# Altium PCB LimeSDR-QPCIe_1v2.PcbDoc (part 13 of 21)
Units mm, origin at the board's own origin, x right, y up, seen from the top; angles counter-clockwise.
Board outline 190 x 111.15 mm, 14 copper layers (Top, L2, L3, L4, L5, L6, L7, L8, L9, L10, L11, L12, L13, Bottom), stack 1.907 mm thick; 2014 components, 1408 nets, 9111 pads, 4171 vias.
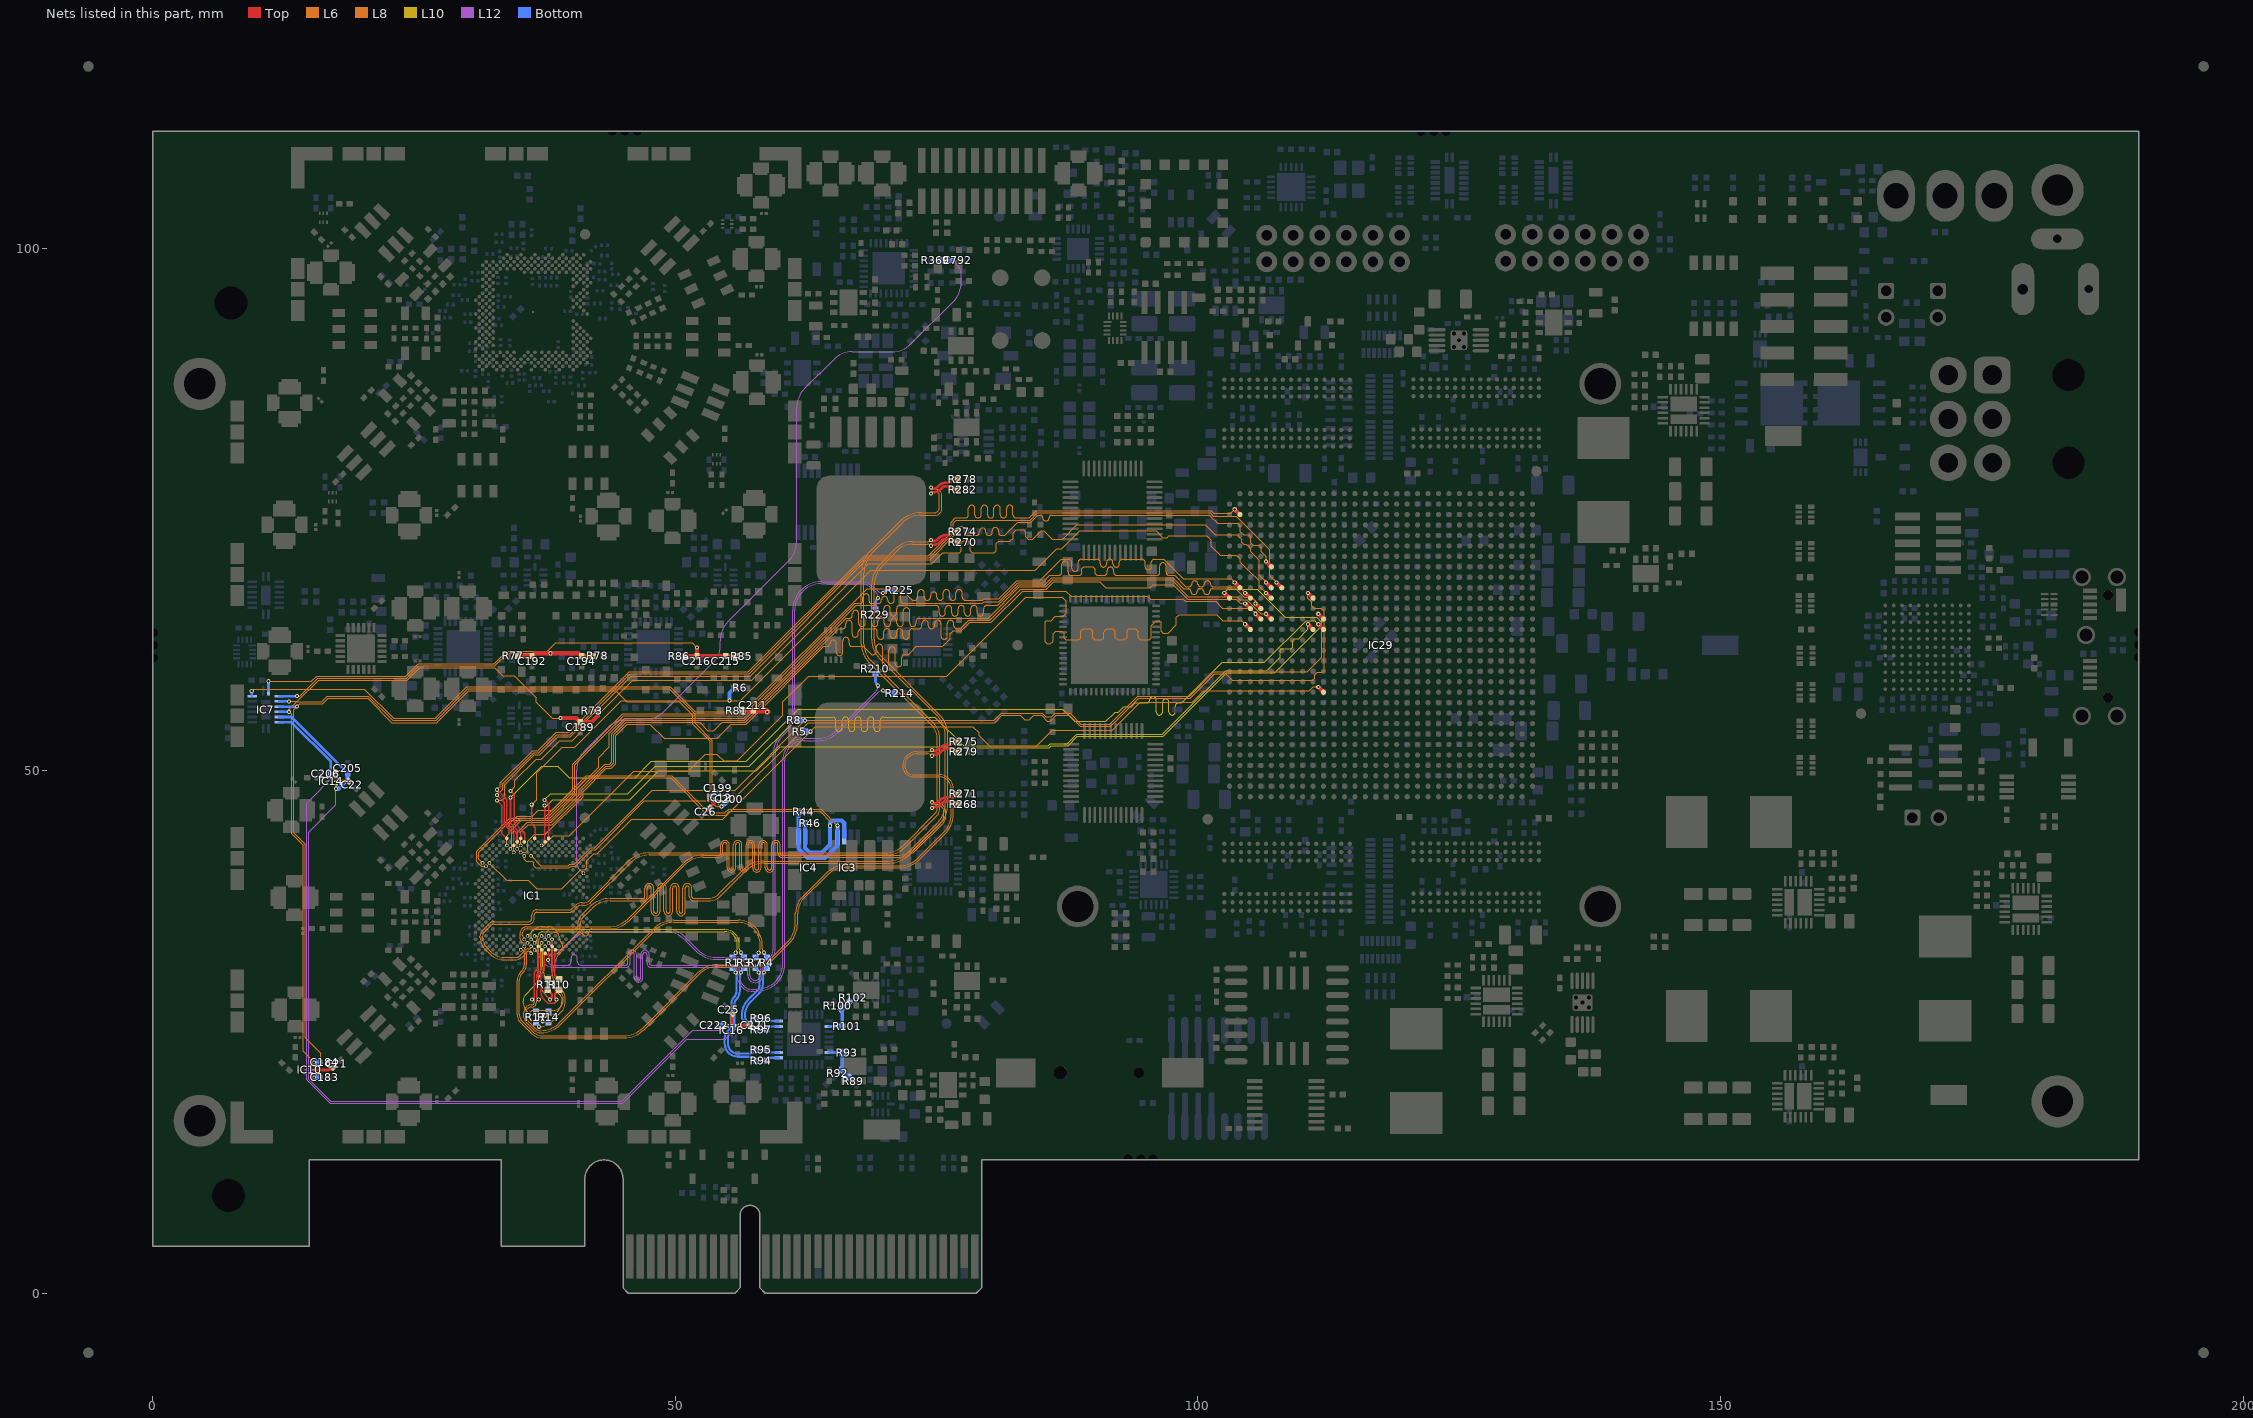
[diagram p25: the nets of this part, all layers, seen from the top]

## Via types
v1: diameter 0.4, hole 0.2, Top to Bottom, tented both sides, 3282 vias
v2: diameter 0.4, hole 0.2, Top to Bottom, tented top, 531 vias
v3: diameter 0.35, hole 0.2, Top to Bottom, tented top, 210 vias
v4: diameter 0.5, hole 0.2, Top to Bottom, tented both sides, 99 vias
v5: diameter 0.5, hole 0.2, Top to Bottom, tented bottom, 49 vias

## Nets (pads, with @x,y where several pads share a name; then routed paths per layer and width w, separated by ;. In a path a pad name is that pad's centre, name@x,y a point inside that pad or via, vN(x,y) a via of type N, cw(c..) or ccw(c..) an arc to the next point about the centre after c; other vN are vias at no path point) (continued)
LMS1_DIQ2_D3: IC1.K32 IC29.AA29 | length 97
  Top w0.4: v2(103.525,68) IC29.AA29@104.025,67.5
  L8 w0.1: v3(33.882,42.843) 33.882,43.741 34.137,43.996 34.137,44.908 34.87,45.641 36.316,45.641 36.875,46.2 38.225,46.2 40.175,48.15 40.175,50.616 44.984,55.425 56.364,55.425 68.347,67.409 71.566,67.409 72.675,66.3 72.9,66.3 ccw(c72.9,66.604) 73.204,66.604 73.204,67.012 cw(c73.508,67.012) 73.508,67.316 cw(c73.508,67.012) 73.812,67.012 73.812,66.604 ccw(c74.116,66.604) 74.116,66.3 ccw(c74.116,66.604) 74.42,66.604 74.42,66.776 cw(c74.724,66.776) 74.724,67.08 cw(c74.724,66.776) 75.028,66.776 75.028,66.604 ccw(c75.332,66.604) 75.332,66.3 ccw(c75.332,66.604) 75.636,66.604 75.636,67.012 cw(c75.94,67.012) 75.94,67.316 cw(c75.94,67.012) 76.244,67.012 76.244,66.604 ccw(c76.548,66.604) 76.548,66.3 ccw(c76.548,66.604) 76.852,66.604 76.852,67.012 cw(c77.156,67.012) 77.156,67.316 cw(c77.156,67.012) 77.46,67.012 77.46,66.604 ccw(c77.764,66.604) 77.764,66.3 78.068,66.3 78.4,66.3 79.4,66.3 79.525,66.425 80.926,66.425 82.676,68.175 84.855,68.175 86.905,70.225 87.025,70.225 ; 87.116,70.225 87.025,70.225 ; v2(103.525,68) 103.175,68.35 98.6,68.35 96.725,70.225 96.3,70.225 95.85,70.225 ccw(c95.85,69.925) 95.55,69.925 95.55,69.512 cw(c95.25,69.512) 95.25,69.212 cw(c95.25,69.512) 94.95,69.512 94.95,69.925 ccw(c94.65,69.925) 94.65,70.225 93.225,70.225 93.094,70.225 92.79,70.225 ccw(c92.79,69.921) 92.486,69.921 92.486,69.773 cw(c92.182,69.773) 92.182,69.469 cw(c92.182,69.773) 91.878,69.773 91.878,69.921 ccw(c91.574,69.921) 91.574,70.225 ccw(c91.574,69.921) 91.27,69.921 91.27,69.774 cw(c90.966,69.774) 90.966,69.47 cw(c90.966,69.774) 90.662,69.774 90.662,69.921 ccw(c90.358,69.921) 90.358,70.225 90.054,70.225 89.75,70.225 89.125,70.225 88.849,70.225 ccw(c88.849,69.921) 88.545,69.921 88.545,69.364 cw(c88.241,69.364) 88.241,69.06 cw(c88.241,69.364) 87.937,69.364 87.937,69.921 ccw(c87.633,69.921) 87.633,70.225 87.329,70.225 87.025,70.225
LMS1_DIQ2_D4: IC1.L31 IC29.Y28 | length 97
  Top w0.4: v2(104.525,67) IC29.Y28@105.025,66.5
  L8 w0.1: v3(34.215,42.51) 34.348,42.643 34.348,44.606 35.183,45.441 37.982,45.441 40.392,47.851 40.392,50.55 45.066,55.225 56.447,55.225 67.222,66 67.65,66 ccw(c67.65,66.304) 67.954,66.304 67.954,66.606 cw(c68.258,66.606) 68.258,66.91 cw(c68.258,66.606) 68.562,66.606 68.562,66.188 ccw(c68.75,66.188) 68.75,66 69.425,66 ccw(c69.425,66.304) 69.729,66.304 69.729,66.361 cw(c70.033,66.361) 70.033,66.665 cw(c70.033,66.361) 70.337,66.361 70.337,66.304 ccw(c70.641,66.304) 70.641,66 ccw(c70.641,66.304) 70.945,66.304 70.945,66.905 cw(c71.249,66.905) 71.249,67.209 cw(c71.249,66.905) 71.553,66.905 71.553,66.304 ccw(c71.857,66.304) 71.857,66 72.161,66 72.225,66 79.383,66 79.541,66.158 80.942,66.158 82.759,67.975 85.15,67.975 85.85,68.675 86.675,68.675 ccw(c86.675,68.979) 86.979,68.979 86.979,69.721 cw(c87.283,69.721) 87.283,70.025 cw(c87.283,69.721) 87.587,69.721 87.587,68.979 ccw(c87.891,68.979) 87.891,68.675 88.1,68.675 88.725,68.675 88.9,68.85 88.9,69.325 89.1,69.525 89.925,69.525 90.175,69.275 90.175,68.825 90.325,68.675 91.025,68.675 ccw(c91.025,68.979) 91.329,68.979 91.329,69.18 cw(c91.633,69.18) 91.633,69.484 cw(c91.633,69.18) 91.937,69.18 91.937,68.979 ccw(c92.241,68.979) 92.241,68.675 92.545,68.675 92.825,68.675 96.05,68.675 ccw(c96.05,68.979) 96.354,68.979 96.354,69.579 cw(c96.658,69.579) 96.658,69.883 cw(c96.658,69.579) 96.962,69.579 96.962,68.979 ccw(c97.266,68.979) 97.266,68.675 97.57,68.675 97.775,68.675 98.8,67.65 98.85,67.6 99.1,67.6 99.158,67.6 ccw(c99.158,67.846) 99.404,67.846 cw(c99.708,67.846) 99.708,68.15 cw(c99.708,67.846) 100.012,67.846 ccw(c100.258,67.846) 100.258,67.6 100.374,67.6 ccw(c100.374,67.846) 100.62,67.846 cw(c100.924,67.846) 100.924,68.15 cw(c100.924,67.846) 101.228,67.846 ccw(c101.474,67.846) 101.474,67.6 101.836,67.6 102.15,67.6 103.925,67.6 v2(104.525,67)
LMS1_DIQ2_D5: IC1.K34 IC29.AC26 | length 97
  Top w0.15: v1(32.937,47.141) 33.38,46.697 33.38,44.011 IC1.K34@33.882,43.509
  Top w0.4: v2(106.525,70) IC29.AC26@107.025,69.5
  L8 w0.1: v1(32.937,47.141) 33.416,47.141 33.675,47.4 33.675,48.656 36.519,51.5 37.011,51.5 38.761,53.25 39.966,53.25 45.766,59.05 57.16,59.05 68.285,70.175 74.375,70.175 76.7,72.5 76.8,72.5 ccw(c76.8,72.755) 77.055,72.755 77.055,73.031 cw(c77.359,73.031) 77.359,73.335 cw(c77.359,73.031) 77.663,73.031 77.663,72.804 ccw(c77.967,72.804) 77.967,72.5 78.271,72.5 78.575,72.5 78.8,72.5 ccw(c78.8,72.804) 79.104,72.804 79.104,72.898 cw(c79.408,72.898) 79.408,73.202 cw(c79.408,72.898) 79.712,72.898 79.712,72.804 ccw(c80.016,72.804) 80.016,72.5 ccw(c80.016,72.804) 80.32,72.804 80.32,72.949 cw(c80.624,72.949) 80.624,73.253 cw(c80.624,72.949) 80.928,72.949 80.928,72.804 ccw(c81.232,72.804) 81.232,72.5 81.505,72.5 82.78,73.775 84.025,73.775 84.7,74.45 84.904,74.45 cw(c84.904,74.191) 85.163,74.191 ccw(c85.467,74.191) 85.467,73.887 ccw(c85.467,74.191) 85.771,74.191 cw(c86.03,74.191) 86.03,74.45 86.075,74.45 101.083,74.45 101.883,73.65 103.8,73.65 104.075,73.375 104.075,72.875 104.4,72.55 104.85,72.55 105.075,72.325 105.075,71.794 105.318,71.55 105.85,71.55 106.075,71.325 106.075,70.925 106.525,70.475 v2(106.525,70)
LMS1_DIQ2_D6: IC1.M30 IC29.W27 | length 97
  Top w0.4: v2(105.525,66) IC29.W27@106.025,65.5
  L8 w0.1: v3(34.548,42.177) 34.548,44.523 35.266,45.241 38.064,45.241 40.592,47.768 40.592,48.242 42.675,50.325 42.675,51.25 43.7,52.275 43.7,53.576 45.149,55.025 56.53,55.025 67.305,65.8 67.425,65.8 69.043,65.8 cw(c69.043,65.496) 69.347,65.496 69.347,65.088 ccw(c69.651,65.088) 69.651,64.784 ccw(c69.651,65.088) 69.955,65.088 69.955,65.496 cw(c70.259,65.496) 70.259,65.8 cw(c70.259,65.496) 70.563,65.496 70.563,65.088 ccw(c70.867,65.088) 70.867,64.784 ccw(c70.867,65.088) 71.171,65.088 71.171,65.496 cw(c71.475,65.496) 71.475,65.8 74.325,65.8 74.629,65.8 74.933,65.8 cw(c74.933,65.496) 75.237,65.496 75.237,65.088 ccw(c75.541,65.088) 75.541,64.784 ccw(c75.541,65.088) 75.845,65.088 75.845,65.496 cw(c76.149,65.496) 76.149,65.8 cw(c76.149,65.496) 76.453,65.496 76.453,65.088 ccw(c76.757,65.088) 76.757,64.784 ccw(c76.757,65.088) 77.061,65.088 77.061,65.496 cw(c77.365,65.496) 77.365,65.8 cw(c77.365,65.496) 77.669,65.496 77.669,65.088 ccw(c77.973,65.088) 77.973,64.784 ccw(c77.973,65.088) 78.277,65.088 78.277,65.496 cw(c78.581,65.496) 78.581,65.8 cw(c78.581,65.496) 78.885,65.496 78.885,65.088 ccw(c79.189,65.088) 79.189,64.784 ccw(c79.189,65.088) 79.493,65.088 79.493,65.496 cw(c79.797,65.496) 79.797,65.8 80.475,65.8 80.867,65.8 82.842,67.775 85.35,67.775 86.025,68.45 97.6,68.45 98.65,67.4 99.025,67.4 99.083,67.4 cw(c99.083,67.154) 99.329,67.154 ccw(c99.633,67.154) 99.633,66.85 ccw(c99.633,67.154) 99.937,67.154 cw(c100.183,67.154) 100.183,67.4 100.299,67.4 cw(c100.299,67.154) 100.545,67.154 ccw(c100.849,67.154) 100.849,66.85 ccw(c100.849,67.154) 101.153,67.154 cw(c101.399,67.154) 101.399,67.4 101.761,67.4 102.1,67.4 103.62,67.4 104.445,66.575 105.172,66.575 105.297,66.45 105.3,66.45 105.525,66.225 v2(105.525,66)
LMS1_DIQ2_D7: IC1.M32 IC29.AA25 | length 97.1
  Top w0.11: IC1.M32@34.548,42.843 34.548,43.347
  Top w0.15: v1(32.937,47.666) 33.087,47.516 33.092,47.516 33.63,46.978 33.63,44.865 34.548,43.947 34.548,43.347
  Top w0.4: v2(107.525,68) IC29.AA25@108.025,67.5
  L8 w0.1: v1(32.937,47.666) 33.475,48.204 33.475,48.739 36.436,51.7 36.929,51.7 38.679,53.45 39.883,53.45 45.683,59.25 57.062,59.25 68.187,70.375 74.292,70.375 76.605,72.688 76.605,73.69 76.89,73.975 83.942,73.975 84.617,74.65 101.175,74.65 101.475,74.35 103.67,74.35 103.875,74.145 104.875,73.145 106.875,71.145 106.875,68.65 v2(107.525,68)
LMS1_DIQ2_D8: IC1.N31 IC29.V26 | length 96.9
  Top w0.4: v2(106.525,65) IC29.V26@107.025,64.5
  L8 w0.1: v3(34.881,42.51) 34.881,44.081 35.841,45.041 38.147,45.041 40.792,47.685 40.792,48.159 43.252,50.619 43.707,50.619 43.912,50.825 43.912,53.505 45.232,54.825 56.612,54.825 66.362,64.575 66.65,64.575 ccw(c66.65,64.879) 66.954,64.879 66.954,65.026 cw(c67.258,65.026) 67.258,65.33 cw(c67.258,65.026) 67.562,65.026 67.562,64.575 67.562,64.094 ccw(c67.866,64.094) 67.866,63.79 ccw(c67.866,64.094) 68.17,64.094 68.17,64.575 68.17,64.904 cw(c68.474,64.904) 68.474,65.208 cw(c68.474,64.904) 68.778,64.904 68.778,64.575 68.778,64.094 ccw(c69.082,64.094) 69.082,63.79 ccw(c69.082,64.094) 69.386,64.094 69.386,64.271 cw(c69.69,64.271) 69.69,64.575 cw(c69.69,64.271) 69.994,64.271 69.994,64.094 ccw(c70.298,64.094) 70.298,63.79 ccw(c70.298,64.094) 70.602,64.094 70.602,64.271 cw(c70.906,64.271) 70.906,64.575 cw(c70.906,64.271) 71.21,64.271 71.21,64.094 ccw(c71.514,64.094) 71.514,63.79 ccw(c71.514,64.094) 71.818,64.094 71.818,64.575 71.818,65.281 cw(c72.122,65.281) 72.122,65.585 cw(c72.122,65.281) 72.426,65.281 72.426,64.575 72.426,64.094 ccw(c72.73,64.094) 72.73,63.79 ccw(c72.73,64.094) 73.034,64.094 73.034,64.271 cw(c73.338,64.271) 73.338,64.575 73.775,64.575 79.925,64.575 82.925,67.575 85.433,67.575 86.108,68.25 97.5,68.25 99.1,66.65 103.725,66.65 104.025,66.35 104.67,66.35 106.02,65 v2(106.525,65)
LMS1_DIQ2_D9: IC1.N33 IC29.AH29 | length 96.8
  Top w0.15: v1@32.987,48.146 33.88,47.253 33.88,44.969 34.839,44.01 34.839,43.176 IC1.N33@34.881,43.176
  Top w0.4: v2(103.525,75) IC29.AH29@104.025,74.5
  L8 w0.1: v1(32.937,48.171) 33.275,48.51 33.275,48.821 36.354,51.9 36.846,51.9 38.596,53.65 39.8,53.65 45.6,59.45 56.979,59.45 68.104,70.575 74.209,70.575 76.405,72.771 76.405,73.773 76.807,74.175 77.75,74.175 ccw(c77.75,74.479) 78.054,74.479 78.054,75.086 cw(c78.358,75.086) 78.358,75.39 cw(c78.358,75.086) 78.662,75.086 78.662,74.479 ccw(c78.966,74.479) 78.966,74.175 ccw(c78.966,74.479) 79.27,74.479 79.27,75.086 cw(c79.574,75.086) 79.574,75.39 cw(c79.574,75.086) 79.878,75.086 79.878,74.479 ccw(c80.182,74.479) 80.182,74.175 ccw(c80.182,74.479) 80.486,74.479 80.486,75.086 cw(c80.79,75.086) 80.79,75.39 cw(c80.79,75.086) 81.094,75.086 81.094,74.479 ccw(c81.398,74.479) 81.398,74.175 ccw(c81.398,74.479) 81.702,74.479 81.702,75.086 cw(c82.006,75.086) 82.006,75.39 cw(c82.006,75.086) 82.31,75.086 82.31,74.479 ccw(c82.614,74.479) 82.614,74.175 82.85,74.175 83.855,74.175 84.53,74.85 101.258,74.85 101.508,74.6 103.125,74.6 v2(103.525,75)
LMS1_DIQ2_D10: IC1.P30 IC29.V27 | length 97.2
  Top w0.4: v2(105.525,65) IC29.V27@106.025,64.5
  L8 w0.1: v3(35.214,42.177) 35.222,42.185 35.682,42.185 35.872,42.375 35.872,43.238 36.535,43.901 37.573,43.901 41.192,47.52 41.192,47.993 43.418,50.22 43.872,50.22 44.312,50.659 44.312,53.339 45.398,54.425 47.575,54.425 48.925,53.075 54.025,53.075 55.375,54.425 56.778,54.425 64.228,61.875 64.5,61.875 ccw(c64.5,62.179) 64.804,62.179 64.804,62.182 cw(c65.108,62.182) 65.108,62.486 cw(c65.108,62.182) 65.412,62.182 65.412,61.875 65.412,61.306 ccw(c65.716,61.306) 65.716,61.002 ccw(c65.716,61.306) 66.02,61.306 66.02,61.875 66.02,62.444 cw(c66.324,62.444) 66.324,62.748 cw(c66.324,62.444) 66.628,62.444 66.628,62.179 ccw(c66.932,62.179) 66.932,61.875 67.363,61.875 68,61.875 68.775,61.1 68.925,61.1 ccw(c68.925,61.404) 69.229,61.404 69.229,61.786 cw(c69.533,61.786) 69.533,62.09 cw(c69.533,61.786) 69.837,61.786 69.837,61.1 69.837,60.232 ccw(c70.141,60.232) 70.141,59.928 ccw(c70.141,60.232) 70.445,60.232 70.445,61.1 70.445,61.531 cw(c70.749,61.531) 70.749,61.835 cw(c70.749,61.531) 71.053,61.531 71.053,61.1 71.053,60.232 ccw(c71.357,60.232) 71.357,59.928 ccw(c71.357,60.232) 71.661,60.232 71.661,60.796 cw(c71.965,60.796) 71.965,61.1 72.025,61.1 72.3,61.1 72.825,61.625 72.825,61.641 73.059,61.875 75.575,61.875 76.325,62.625 76.325,63.1 76.584,63.359 77.341,63.359 78.158,64.175 80.25,64.175 83.25,67.175 87.375,67.175 87.875,66.675 95.175,66.675 95.475,66.375 98.625,66.375 98.8,66.2 101.7,66.2 102.35,65.55 104.975,65.55 v2(105.525,65)
LMS1_DIQ2_D11: IC1.P32 IC29.W28 | length 96.8
  Top w0.4: v2(104.525,66) IC29.W28@105.025,65.5
  L8 w0.1: v3(35.214,42.843) 35.214,44.131 35.924,44.841 38.23,44.841 40.992,47.603 40.992,48.076 43.335,50.42 43.789,50.42 44.112,50.742 44.112,53.422 45.315,54.625 52.325,54.625 53.125,53.825 53.675,53.825 54.475,54.625 56.695,54.625 65.645,63.575 66,63.575 ccw(c66,63.879) 66.304,63.879 66.304,64.071 cw(c66.608,64.071) 66.608,64.375 cw(c66.608,64.071) 66.912,64.071 66.912,63.575 66.912,63.075 ccw(c67.216,63.075) 67.216,62.771 ccw(c67.216,63.075) 67.52,63.075 67.52,63.271 cw(c67.824,63.271) 67.824,63.575 68.128,63.575 68.736,63.575 69.04,63.575 cw(c69.04,63.271) 69.344,63.271 69.344,62.863 ccw(c69.648,62.863) 69.648,62.559 ccw(c69.648,62.863) 69.952,62.863 69.952,63.271 cw(c70.256,63.271) 70.256,63.575 cw(c70.256,63.271) 70.56,63.271 70.56,62.973 ccw(c70.864,62.973) 70.864,62.669 ccw(c70.864,62.973) 71.168,62.973 71.168,63.271 cw(c71.472,63.271) 71.472,63.575 cw(c71.472,63.271) 71.776,63.271 71.776,62.863 ccw(c72.08,62.863) 72.08,62.559 ccw(c72.08,62.863) 72.384,62.863 72.384,63.271 cw(c72.688,63.271) 72.688,63.575 72.992,63.575 73.296,63.575 ccw(c73.296,63.879) 73.6,63.879 73.6,64.071 cw(c73.904,64.071) 73.904,64.375 cw(c73.904,64.071) 74.208,64.071 74.208,63.879 ccw(c74.512,63.879) 74.512,63.575 ccw(c74.512,63.879) 74.816,63.879 74.816,64.071 cw(c75.12,64.071) 75.12,64.375 cw(c75.12,64.071) 75.424,64.071 75.424,63.575 75.424,62.863 ccw(c75.728,62.863) 75.728,62.559 ccw(c75.728,62.863) 76.032,62.863 76.032,63.575 76.032,64.071 cw(c76.336,64.071) 76.336,64.375 cw(c76.336,64.071) 76.64,64.071 76.64,63.879 ccw(c76.944,63.879) 76.944,63.575 77.15,63.575 77.275,63.575 78.075,64.375 80.075,64.375 83.075,67.375 85.516,67.375 86.191,68.05 90.63,68.05 91.18,67.5 95.45,67.5 95.75,67.8 97.65,67.8 99.05,66.4 103.65,66.4 104.05,66 v2(104.525,66)
LMS1_ENABLE_IQSEL1: IC1.Y32 IC29.U28 | length 97.1
  Top w0.4: v2(104.525,64) IC29.U28@105.025,63.5
  L8 w0.1: v3(37.212,42.843) 37.418,42.843 38.343,43.768 39.851,43.768 46.033,49.95 51.233,49.95 52.858,51.575 53.967,51.575 54.617,50.925 55.95,50.925 60.3,55.275 60.3,56.6 62.75,59.05 75.991,59.05 83.516,66.575 87.042,66.575 87.4,66.217 87.4,65.05 87.125,64.775 86.375,64.775 85.95,64.35 85.5,64.35 85.375,64.225 85.375,62.35 85.6,62.125 85.9,62.125 86.15,62.375 86.15,63.075 86.4,63.325 87,63.325 87.2,63.125 87.2,62.675 87.375,62.5 88.6,62.5 88.775,62.675 88.775,63.325 89.025,63.575 89.7,63.575 89.925,63.35 89.925,62.7 90.125,62.5 90.8,62.5 90.975,62.675 90.975,63.25 91.275,63.55 91.875,63.55 92.1,63.325 92.1,62.725 92.325,62.5 92.95,62.5 93.225,62.775 93.225,63.375 93.4,63.55 94.025,63.55 94.275,63.3 94.275,62.725 94.5,62.5 95.325,62.5 95.525,62.7 95.525,63.867 96.008,64.35 96.325,64.35 96.5,64.175 96.5,63.325 96.675,63.15 97.15,63.15 97.95,63.95 97.95,64.65 98.225,64.925 101.817,64.925 102.392,64.35 104.175,64.35 v2(104.525,64)
LMS1_ENABLE_IQSEL2: IC1.R33 IC29.AA26 | length 97
  Top w0.15: v1@34.262,48.041 34.612,47.691 34.612,44.977 35.589,44 35.589,43.218 IC1.R33@35.547,43.176
  Top w0.4: v2(106.525,68) IC29.AA26@107.025,67.5
  L8 w0.1: v1(34.237,48.041) 34.65,48.454 34.65,49.065 36.685,51.1 37.177,51.1 38.927,52.85 40.131,52.85 45.931,58.65 57.326,58.65 68.451,69.775 74.541,69.775 75.611,70.845 76.825,70.845 77.195,70.845 77.375,71.025 77.375,71.775 77.575,71.975 78,71.975 78.205,71.77 78.205,71.04 78.4,70.845 80.5,70.845 80.705,71.05 80.705,71.73 80.925,71.95 82.025,71.95 82.325,72.25 82.325,72.75 82.6,73.025 83.35,73.025 83.55,72.825 83.55,72.375 83.775,72.15 84.2,72.15 85,72.95 85.275,72.95 86.075,72.15 87.051,72.15 88.426,73.525 100.688,73.525 101.663,72.55 103.753,72.55 103.958,72.345 104.175,72.128 104.175,71.855 104.38,71.65 104.653,71.65 105.075,71.228 105.075,70.945 105.875,70.145 105.875,68.711 106.525,68.061 v2(106.525,68)
LMS1_FCLK1: IC1.AA33 IC29.Y30 | length 96.9
  Top w0.15: v1@37.528,46.625 37.528,43.176 IC1.AA33@37.545,43.176
  Top w0.4: v2(102.525,67) IC29.Y30@103.025,66.5
  L10 w0.1: v1(37.478,46.65) 37.7,46.65 38.275,47.225 45.65,47.225 48.4,49.975 57.725,49.975 60.025,52.275 76.15,52.275 76.25,52.175 85.775,52.175 85.975,52.375 87.583,52.375 88.483,53.275 96.683,53.275 102.758,59.35 107.37,59.35 111.875,63.855 111.875,64.145 111.37,64.65 108.38,64.65 105.68,67.35 102.875,67.35 v2(102.525,67)
LMS1_FCLK2: IC1.R29 IC29.Y22 | length 96.8
  Top w0.4: v2(110.525,67) IC29.Y22@111.025,66.5
  L8 w0.1: v3(35.547,41.844) 35.547,41.528 35.75,41.325 36.325,41.325 36.475,41.175 36.475,40.894 36.65,40.719 39.857,40.719 39.975,40.837 40.41,40.837 42.014,42.441 42.39,42.441 47.049,47.1 55.425,47.1 61.813,53.488 61.813,53.705 62.708,54.6 80.583,54.6 81.258,55.275 83.025,55.275 83.45,54.85 83.875,54.85 84.3,55.275 85.05,55.275 85.6,54.725 85.9,54.725 86.45,55.275 87.7,55.275 88.725,54.25 91.658,54.25 94.333,56.925 99.283,56.925 101.608,59.25 102.65,59.25 103.275,58.625 110.975,58.625 111.175,58.825 111.175,59.155 111.42,59.4 111.9,59.4 112.075,59.575 112.075,65.25 111.8,65.525 111.1,65.525 110.89,65.735 110.89,66.14 110.525,66.505 v2(110.525,67)
LMS1_I2C_SCL: IC1.C27 IC3.6 IC4.6 R46.2 | length 50.3
  L6 w0.1: v3(31.551,41.178) 31.2,41.529 31.2,42.2 34.25,45.25 37.508,45.25 41.558,49.3 49.575,49.3 53.125,45.75 54.825,45.75 55.175,46.1 63.867,46.1 64.8,45.167 v1(64.8,44.725)
  Bottom w0.4: R46.2@62.405,44.964 R46.2@62.425,44.944 ; R46.2@62.425,44.869 IC4.6@62.425,43.65 62.425,42.594 62.855,42.164 64.055,42.164 64.805,42.914 64.805,44.98 65.055,45.23 65.92,45.23 66.17,44.98 IC3.6@66.17,43.65
LMS1_I2C_SDA: IC1.D26 IC3.5 IC4.5 R44.2 | length 51.8
  L6 w0.1: v3(31.884,40.845) 31.876,40.853 31.416,40.853 31,41.269 31,42.283 34.167,45.45 37.425,45.45 41.475,49.5 49.658,49.5 53.208,45.95 54.742,45.95 55.092,46.3 63.95,46.3 v1(65.52,44.73)
  Bottom w0.4: R44.2@61.775,45.984 IC4.5@61.775,43.65 61.775,42.519 62.655,41.639 64.33,41.639 65.52,42.829 IC3.5@65.52,43.65 v1(65.52,44.73) ; R44.2@61.775,46.059 R44.2@61.78,46.064
LMS1_LOOPBACK_RX1H: C26.1 IC12.5 | length 1
  Top w0.309: C26.1@53.276,46.426 IC12.5@53.999,47.149
LMS1_LOOPBACK_RX2H: C25.1 IC16.5 | length 1.2
  Top w0.309: IC16.5@55.425,25.55 IC16.5@55.425,25.6 C25.1@55.425,26.709
LMS1_LOOPBACK_TX12: C21.1 IC10.5 | length 1.9
  Top w0.309: IC10.5@15.398,21.363 IC10.5@15.448,21.363 16.647,21.363 ccw(c16.647,22.246) C21.1@17.271,21.621
LMS1_LOOPBACK_TX22: C22.1 IC14.5 | length 1
  Top w0.309: 17.747,48.979 C22.1@18.746,48.979
LMS1_MCLK1: IC1.AB34 IC29.U22 | length 96.8
  Top w0.15: v1@37.487,47.216 37.878,46.825 IC1.AB34@37.878,43.509
  Top w0.4: v2(110.525,64) IC29.U22@111.025,63.5
  L10 w0.1: v1(37.487,47.191) 38.071,47.775 45.475,47.775 48.1,50.4 57.075,50.4 61.8,55.125 64.45,55.125 64.754,55.125 65.058,55.125 cw(c65.058,54.821) 65.362,54.821 65.362,54.052 ccw(c65.666,54.052) 65.666,53.748 ccw(c65.666,54.052) 65.97,54.052 65.97,54.821 cw(c66.274,54.821) 66.274,55.125 cw(c66.274,54.821) 66.578,54.821 66.578,54.052 ccw(c66.882,54.052) 66.882,53.748 ccw(c66.882,54.052) 67.186,54.052 67.186,54.821 cw(c67.49,54.821) 67.49,55.125 cw(c67.49,54.821) 67.794,54.821 67.794,54.052 ccw(c68.098,54.052) 68.098,53.748 ccw(c68.098,54.052) 68.402,54.052 68.402,54.821 cw(c68.706,54.821) 68.706,55.125 cw(c68.706,54.821) 69.01,54.821 69.01,54.052 ccw(c69.314,54.052) 69.314,53.748 ccw(c69.314,54.052) 69.618,54.052 69.618,54.821 cw(c69.922,54.821) 69.922,55.125 70.55,55.125 74.833,55.125 77.583,52.375 85.692,52.375 85.892,52.575 87.5,52.575 88.4,53.475 96.6,53.475 102.675,59.55 106.57,59.55 107.875,60.855 107.875,61.525 108,61.65 108.922,61.65 109.075,61.803 109.075,62.45 109.25,62.625 109.645,62.625 110.525,63.505 v2(110.525,64)
LMS1_MCLK2: IC1.P34 IC29.U21 | length 96.7
  Top w0.15: v1@34.212,47.441 v1@34.237,47.416 ; v1(34.237,47.441) v1@34.237,47.416 ; IC1.P34@35.214,43.509 35.214,43.989 34.237,44.966 v1@34.237,47.416
  Top w0.4: v2(111.525,64) IC29.U21@112.025,63.5
  L10 w0.1: v1(34.237,47.441) 37.221,50.425 38.75,50.425 39.85,49.325 46.15,49.325 47.7,50.875 56.775,50.875 61.75,55.85 87.075,55.85 88.225,54.7 91.2,54.7 92.075,55.575 92.375,55.575 92.9,56.1 93.658,56.1 94.033,56.475 95.1,56.475 ccw(c95.1,56.779) 95.404,56.779 cw(c95.708,56.779) 95.708,57.083 cw(c95.708,56.779) 96.012,56.779 96.012,56.475 96.012,55.62 ccw(c96.316,55.62) 96.316,55.316 ccw(c96.316,55.62) 96.62,55.62 96.62,56.475 96.62,56.542 cw(c96.924,56.542) 96.924,56.846 cw(c96.924,56.542) 97.228,56.542 97.228,56.475 97.228,55.62 ccw(c97.532,55.62) 97.532,55.316 ccw(c97.532,55.62) 97.836,55.62 97.836,56.171 cw(c98.14,56.171) 98.14,56.475 98.275,56.475 98.475,56.475 102.35,60.35 106.37,60.35 110.37,64.35 111.175,64.35 v2(111.525,64)